# KiCad board HPPSI02.kicad_pcb (continued)
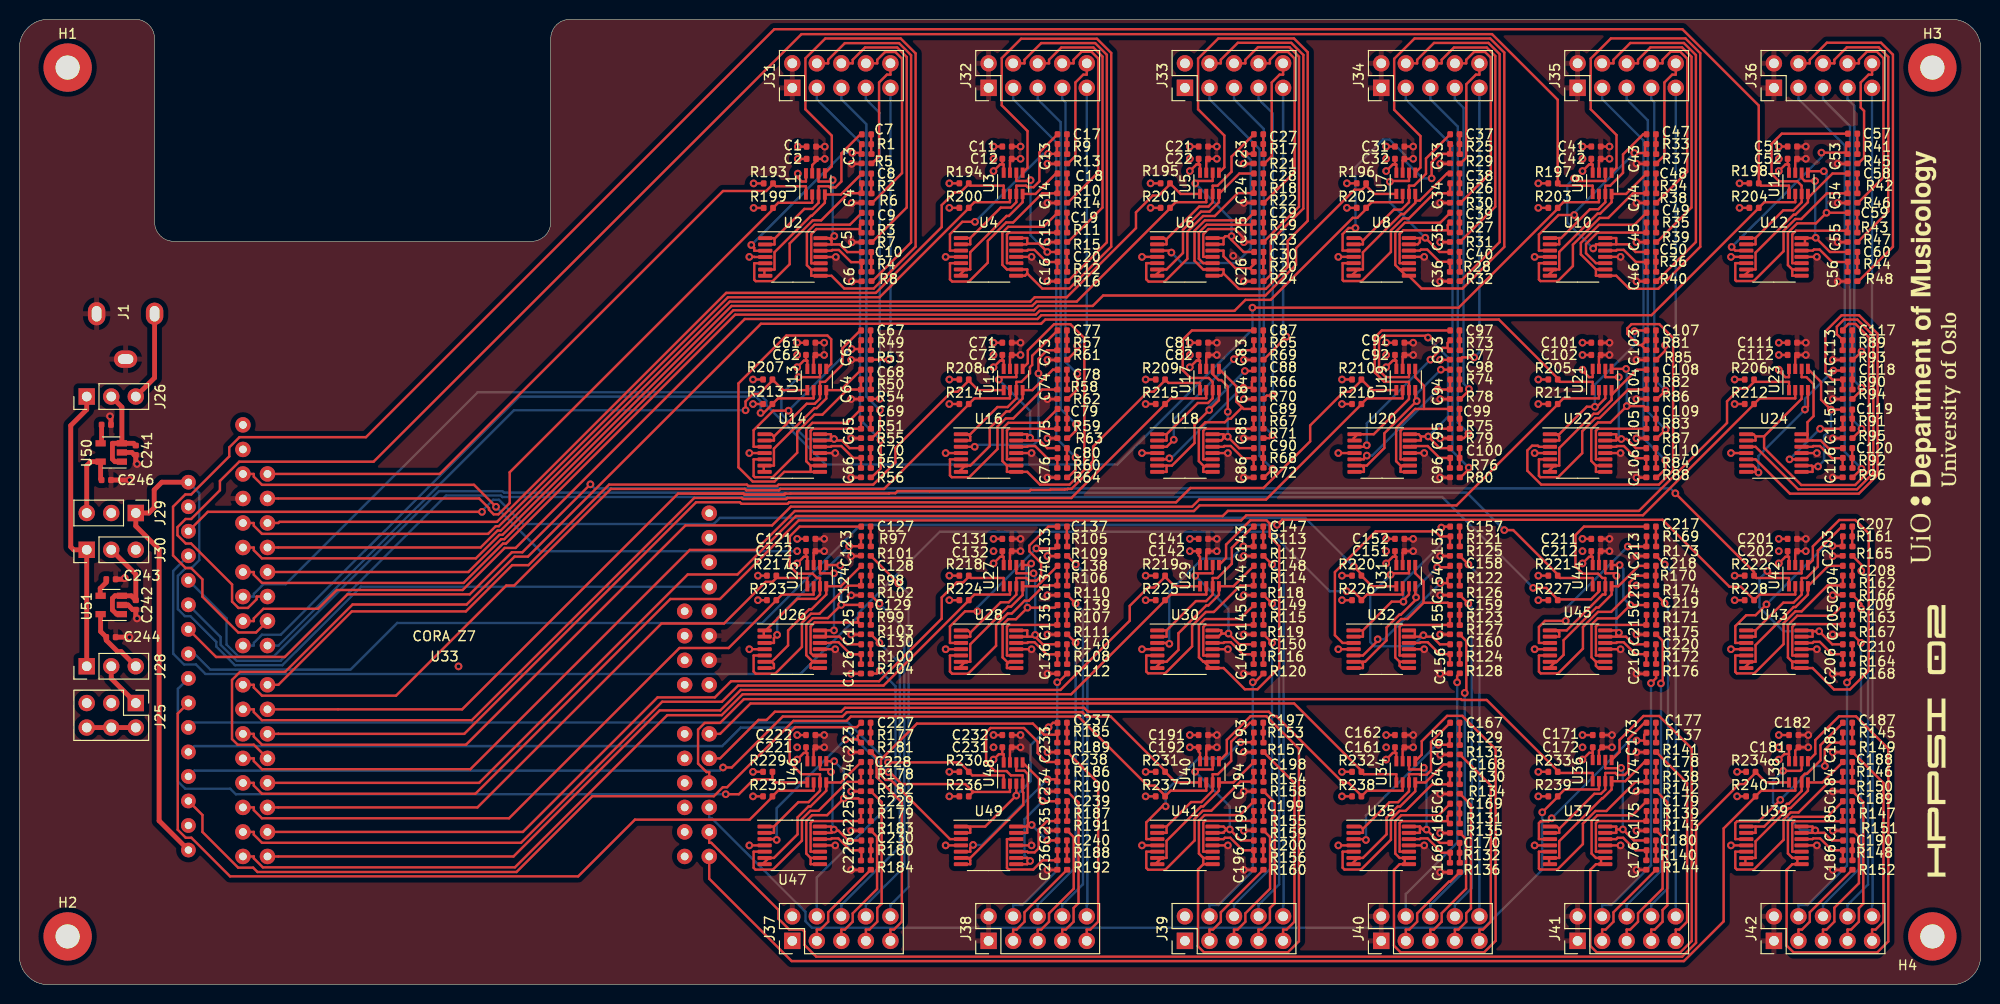
[diagram p0: board, top side]
## Routing (per net, layer and track width the routed paths; a pad name or vN(x,y) marks a point on that pad's centre or on a via; arc(x,y) is an arc through that point) (continued)
Net-(C149-Pad2): length 2.1
  Top w0.25: R119.2 128.75,37.29 R115.1 C149.2
Net-(C150-Pad1): length 16.1
  Top w0.25: 124.41,36.37 v1(125.15,36.37) 126.26,35.26 127.78,35.26 ; 124.41,36.37 124.41,36.7 123.59,36.7 ; 124.41,36.37 124.41,36.34 124.12,36.05 123.59,36.05 ; v1(121.71,42.36) 121.96,42.61 123.51,42.61 U29.6
  Bottom w0.25: v1(121.71,42.36) 125.15,38.93 v1(125.15,36.37)
Net-(C150-Pad2): length 2.1
  Top w0.25: R120.2 128.75,33.23 R116.1 C150.2
Net-(C153-Pad1): length 23.7
  Top w0.25: 148.07,46.43 C153.1 ; 148.07,46.43 R121.2 ; 148.07,46.43 147.06,46.43 146.54,46.95 140.38,46.95 136.16,42.74 136.16,36.2 136.96,35.4 138.01,35.4
Net-(C154-Pad1): length 14.3
  Top w0.25: 147.8,41.6 C154.1 ; 147.8,41.6 147.8,42.08 R122.2 ; 147.8,41.6 v1(147.08,41.6) ; v1(140.59,35.78) 140.59,35.63 139.06,34.1 138.01,34.1
  Bottom w0.25: v1(147.08,41.6) 141.27,35.78 v1(140.59,35.78)
Net-(C155-Pad1): length 10.4
  Top w0.25: R123.2 148.07,38.28 C155.1 143.04,37.27 142.86,37.08 142.86,34.1 143.91,34.1
Net-(C156-Pad1): length 5.7
  Top w0.25: 143.91,35.4 144.96,35.4 145.04,35.48 145.77,35.48 147,34.24 148.07,34.24 ; 148.07,34.24 R124.2 ; 148.07,34.24 C156.1
Net-(C157-Pad1): length 20.3
  Top w0.25: 138.01,36.7 139.06,36.7 ; 139.06,36.7 142.03,39.67 v1(143.25,39.67) 143.25,39.84 143.83,40.41 U31.3 ; 139.06,36.7 139.06,36.05 138.01,36.05 ; v1(147.18,47.35) 147.28,47.45 C157.1
  Bottom w0.25: v1(147.18,47.35) 147.18,45.64 143.25,41.71 v1(143.25,39.67)
Net-(C157-Pad2): length 2.1
  Top w0.25: R125.2 R121.1 149.09,47.43 149.06,47.45
Net-(C158-Pad1): length 18.6
  Top w0.25: 138.01,33.45 138.83,33.45 ; 138.83,33.45 139.29,33.45 141.51,35.67 141.51,37.01 142.83,38.33 142.99,38.33 144.57,39.91 v1(144.57,40.12) 144.57,40.33 144.48,40.41 U31.4 ; 138.83,33.45 139.06,33.22 139.06,32.8 138.01,32.8 ; v1(146.74,43.24) 147.94,43.24 C158.1
  Bottom w0.25: v1(146.74,43.24) 144.57,41.06 v1(144.57,40.12)
Net-(C158-Pad2): length 2.1
  Top w0.25: R126.2 149.06,41.35 149.06,43.39
Net-(C159-Pad1): length 17.6
  Top w0.25: 145.34,39.56 145.34,41.76 144.48,42.61 U31.5 ; 145.34,39.56 143.66,37.88 143.02,37.88 142.41,37.27 142.41,33.9 142.86,33.45 ; 145.34,39.56 147.85,39.56 C159.1 ; 142.86,33.45 142.86,33.03 143.09,32.8 143.91,32.8 ; 142.86,33.45 143.91,33.45
Net-(C159-Pad2): length 2.1
  Top w0.25: 149.06,39.32 149.06,37.27 R127.2
Net-(C160-Pad1): length 22.7
  Top w0.25: 145.32,36.05 144.44,36.05 ; 145.32,36.05 v1(145.32,36.2) ; 145.32,36.05 146.23,36.05 147.02,35.26 C160.1 ; 144.44,36.05 143.91,36.05 ; 144.44,36.05 144.44,36.7 143.91,36.7 ; v1(141.93,42.47) 142.08,42.61 143.83,42.61 U31.6
  Bottom w0.25: v1(141.93,42.47) 139.82,40.36 139.82,35.49 140.25,35.06 144.18,35.06 v1(145.32,36.2)
Net-(C160-Pad2): length 2
  Top w0.25: R128.2 149.06,33.25 149.06,35.26
Net-(C163-Pad1): length 16.7
  Top w0.25: C163.1 148.04,24.86 ; 148.04,24.86 148.04,25.8 R129.2 ; 148.04,24.86 v1(146.87,24.86) ; 138.01,15.08 139.06,15.08 139.15,14.99 v1(139.37,14.99)
  Bottom w0.25: v1(146.87,24.86) 146.7,24.86 139.37,17.53 v1(139.37,14.99)
Net-(C164-Pad1): length 19.8
  Top w0.25: 138.01,13.78 136.96,13.78 136.96,12.12 137.15,11.93 138.87,11.93 141.96,15.01 141.96,17.12 142.85,18 143.48,18 146.23,20.76 C164.1 148.07,21.77 R130.2
Net-(C165-Pad1): length 10.3
  Top w0.25: 147.82,16.94 147.82,17.46 R131.2 ; 147.82,16.94 C165.1 ; 147.82,16.94 143.06,16.94 142.86,16.74 142.86,13.78 143.91,13.78
Net-(C166-Pad1): length 5.9
  Top w0.25: 143.91,15.08 144.96,15.08 145.04,15.16 145.75,15.16 147.24,13.67 R132.2 148.07,13.64 C166.1
Net-(C167-Pad1): length 19
  Top w0.25: 138.01,16.38 138.83,16.38 139.06,16.15 ; C167.1 146.11,25.15 146.11,22.19 145.67,21.75 144.97,21.75 144.91,21.81 143.83,21.81 U34.3 143.83,20.03 142.7,18.91 141.82,18.91 139.06,16.15 ; 139.06,16.15 139.06,15.73 138.01,15.73
Net-(C167-Pad2): length 2.3
  Top w0.25: R133.2 149.06,24.84 149.06,27.13
Net-(C168-Pad1): length 16.5
  Top w0.25: 138.54,13.13 138.01,12.6 138.01,12.48 ; 138.54,13.13 139.06,13.13 141.51,15.58 141.51,17.3 142.66,18.46 142.9,18.46 144.48,20.03 U34.4 145.54,20.95 147.4,22.81 C168.1 ; 138.54,13.13 138.01,13.13
Net-(C168-Pad2): length 2.1
  Top w0.25: 149.06,22.81 149.06,20.78 R134.2
Net-(C169-Pad1): length 65.5
  Top w0.25: 143.91,13.13 143.38,13.13 ; 143.38,13.13 142.86,13.13 142.41,13.58 142.41,16.93 143.03,17.55 146.9,17.55 C169.1 ; 143.38,13.13 143.38,12.48 ; U34.5 145.15,23.82 145.15,25.22 147.77,27.85 149.34,27.85 152.79,24.39 152.79,4.54 151.61,3.35 142.96,3.35 142.28,4.04 142.28,11.9 142.86,12.48 143.38,12.48 ; 143.38,12.48 143.91,12.48
Net-(C169-Pad2): length 2.1
  Top w0.25: 149.06,18.75 149.06,16.72 R135.2
Net-(C170-Pad1): length 15.6
  Top w0.25: U34.6 143.83,22.29 145.18,22.29 v1(145.36,22.48) ; 144.96,16.38 145.27,16.07 v1(145.65,16.07) 147.03,14.68 C170.1 ; 144.96,16.38 144.96,15.73 143.91,15.73 ; 144.96,16.38 143.91,16.38
  Bottom w0.25: v1(145.36,22.48) 145.65,22.19 v1(145.65,16.07)
Net-(C170-Pad2): length 2.1
  Top w0.25: 149.06,14.68 149.06,12.65 R136.2
Net-(C173-Pad1): length 18.4
  Top w0.25: v1(158.6,17.24) 158.29,16.93 157.47,16.93 157.28,16.74 157.28,15.08 158.33,15.08 ; 168.18,25.29 C173.1 ; 168.18,25.29 168.18,25.88 R137.2 ; 168.18,25.29 v1(167.39,25.29)
  Bottom w0.25: v1(167.39,25.29) 166.64,25.29 v1(158.6,17.24)
Net-(C174-Pad1): length 20
  Top w0.25: 158.33,13.78 157.28,13.78 157.28,12.03 157.38,11.93 159.19,11.93 161.83,14.57 161.83,16.69 163.14,17.99 164.26,17.99 167.28,21.01 C174.1 R138.2
Net-(C175-Pad1): length 10.4
  Top w0.25: 164.23,13.78 163.18,13.78 163.18,16.76 163.37,16.95 C175.1 168.39,17.96 R139.2
Net-(C176-Pad1): length 5.8
  Top w0.25: 164.23,15.08 165.28,15.08 165.42,15.22 165.99,15.22 167.29,13.92 R140.2 168.41,12.91 C176.1
Net-(C177-Pad1): length 19.3
  Top w0.25: 158.33,16.38 159.14,16.38 159.38,16.14 ; 159.38,16.14 163.01,19.77 163.7,19.77 164.15,20.22 164.15,21.93 165.19,21.93 165.4,21.72 166.15,21.72 166.53,22.1 166.53,25.45 168.2,27.13 C177.1 ; 159.38,16.14 159.38,15.73 158.33,15.73
Net-(C177-Pad2): length 2.1
  Top w0.25: 169.38,27.13 169.38,25.1 R141.2
Net-(C178-Pad1): length 16.4
  Top w0.25: 158.33,12.48 158.33,13.13 159.38,13.13 159.38,14.88 163.82,19.32 163.9,19.32 164.8,20.22 164.8,21.08 166.22,21.08 168.21,23.07 C178.1
Net-(C178-Pad2): length 2.1
  Top w0.25: R142.2 169.36,21.08 R138.1 169.41,22.1 C178.2
Net-(C179-Pad1): length 65.5
  Top w0.25: U36.5 165.62,24.1 165.62,25.35 168.1,27.83 169.72,27.83 173.09,24.46 173.09,4.53 171.92,3.35 163.26,3.35 162.6,4.01 162.6,11.9 163.18,12.48 163.7,12.48 ; C179.1 166.96,17.54 163.32,17.54 162.73,16.95 162.73,13.58 163.18,13.13 163.7,13.13 ; 163.7,12.48 164.23,12.48 ; 163.7,12.48 163.7,13.13 ; 163.7,13.13 164.23,13.13
Net-(C179-Pad2): length 2.1
  Top w0.25: 169.38,19 169.38,16.97 R143.2
Net-(C180-Pad1): length 15.3
  Top w0.25: 165.28,16.08 165.28,15.73 164.23,15.73 ; 165.28,16.08 165.28,16.38 164.23,16.38 ; 165.28,16.08 v1(165.97,16.08) 167.11,14.94 C180.1 ; U36.6 164.15,22.42 165.75,22.42 v1(165.79,22.46)
  Bottom w0.25: v1(165.97,16.08) 165.97,22.28 v1(165.79,22.46)
Net-(C180-Pad2): length 2.1
  Top w0.25: 169.38,14.94 169.38,12.91 R144.2
Net-(C183-Pad1): length 19.3
  Top w0.25: 188.74,26.11 188.74,25.1 C183.1 187.6,25.08 186.87,24.34 v1(186.87,22.65) ; 178.65,15.08 177.6,15.08 177.6,16.74 177.79,16.93 180.05,16.93 v1(182.26,19.14)
  Bottom w0.25: v1(182.26,19.14) 185.77,22.65 v1(186.87,22.65)
Net-(C184-Pad1): length 20
  Top w0.25: 178.65,13.78 177.6,13.78 177.6,12.09 177.77,11.93 179.52,11.93 182.6,15 182.6,17.11 183.33,17.84 184.15,17.84 187.32,21.01 C184.1 188.71,22.03 188.74,22.05
Net-(C185-Pad1): length 10.4
  Top w0.25: 188.74,17.99 188.71,17.96 C185.1 188.7,16.93 183.69,16.93 183.5,16.74 183.5,13.78 184.55,13.78
Net-(C186-Pad1): length 5.8
  Top w0.25: 184.55,15.08 185.6,15.08 185.68,15.16 186.38,15.16 187.61,13.92 188.74,13.92 188.74,12.91 C186.1
Net-(C187-Pad1): length 18
  Top w0.25: 178.65,15.73 179.7,15.73 179.7,16.38 ; 179.7,16.38 180.59,16.38 182.95,18.74 183.13,18.74 184.47,20.08 U38.3 184.47,21.51 184.81,21.85 185.02,21.85 186.42,23.24 186.42,24.82 188.74,27.13 ; 179.7,16.38 178.65,16.38
Net-(C187-Pad2): length 2.1
  Top w0.25: C187.2 R145.1 189.71,25.1 R149.2
Net-(C188-Pad1): length 16.4
  Top w0.25: 178.65,12.48 178.65,13.13 179.7,13.13 179.7,14.85 183.14,18.29 183.32,18.29 185.12,20.09 U38.4 186.62,20.95 188.74,23.07
Net-(C188-Pad2): length 2.1
  Top w0.25: R150.2 189.71,21.03 R146.1 C188.2
Net-(C189-Pad1): length 65.7
  Top w0.25: 184.55,12.48 184.02,12.48 ; 184.02,12.48 183.5,12.48 182.92,11.9 182.92,4.06 183.64,3.34 192.29,3.34 193.44,4.48 193.44,24.45 190.09,27.8 188.34,27.8 185.88,25.34 185.88,23.91 U38.5 ; 184.02,12.48 184.02,13.13 ; 184.55,13.13 184.02,13.13 ; 184.02,13.13 183.5,13.13 183.5,13.14 183.05,13.59 183.05,16.93 183.51,17.39 187.12,17.39 188.74,19
Net-(C189-Pad2): length 2.1
  Top w0.25: R151.2 189.71,16.97 R147.1 C189.2
Net-(C190-Pad1): length 18.6
  Top w0.25: 185.6,15.73 186.81,15.73 187.6,14.94 C190.1 ; 185.6,15.73 185.6,15.98 ; 185.6,15.73 184.55,15.73 ; U38.6 184.47,22.29 184.33,22.15 v1(182.55,22.15) ; 185.6,15.98 v1(185.88,15.98) ; 185.6,15.98 185.6,16.38 184.55,16.38
  Bottom w0.25: v1(182.55,22.15) 181.5,21.11 181.5,18.87 184.39,15.98 v1(185.88,15.98)
Net-(C190-Pad2): length 2.1
  Top w0.25: R152.2 189.71,12.91 R148.1 189.73,13.94 C190.2
Net-(C193-Pad1): length 19.3
  Top w0.25: 127.71,25.11 C193.1 ; 127.71,25.11 v1(126.4,25.11) ; 127.71,25.11 127.71,26.05 127.78,26.11 ; 117.69,15.08 116.64,15.08 116.64,16.81 118.3,18.48 v1(118.64,18.48)
  Bottom w0.25: v1(126.4,25.11) 124.7,23.42 122.01,23.42 118.64,20.05 v1(118.64,18.48)
Net-(C194-Pad1): length 20
  Top w0.25: 127.78,22.05 127.75,22.03 C194.1 126.38,21.03 123.36,18.02 122.49,18.02 121.64,17.17 121.64,14.94 118.61,11.91 116.82,11.91 116.64,12.09 116.64,13.78 117.69,13.78
Net-(C195-Pad1): length 10.4
  Top w0.25: 123.59,13.78 122.54,13.78 122.54,16.79 122.72,16.97 C195.1 127.75,17.96 127.78,17.99
Net-(C196-Pad1): length 5.8
  Top w0.25: C196.1 127.78,12.91 127.78,13.92 126.63,13.92 125.34,15.22 124.78,15.22 124.64,15.08 123.59,15.08
Net-(C197-Pad1): length 18.4
  Top w0.25: 118.74,16.38 121.28,18.92 122.33,18.92 123.51,20.09 U40.3 123.51,21.81 124.05,21.81 125.43,23.18 125.43,25.17 127.39,27.13 127.78,27.13 ; 118.74,16.38 118.74,15.73 117.69,15.73 ; 118.74,16.38 117.69,16.38
Net-(C197-Pad2): length 2.1
  Top w0.25: R157.2 128.75,25.1 R153.1 C197.2
Net-(C198-Pad1): length 16.6
  Top w0.25: 117.69,13.13 118.22,13.13 ; 118.22,13.13 117.69,12.6 117.69,12.48 ; 118.22,13.13 118.74,13.13 118.74,14.91 122.3,18.47 122.53,18.47 124.16,20.09 U40.4 125.66,20.95 127.78,23.07
Net-(C198-Pad2): length 2.1
  Top w0.25: C198.2 R154.1 128.75,21.03 R158.2
Net-(C199-Pad1): length 65.6
  Top w0.25: 122.54,12.48 122,11.94 122,3.97 122.61,3.36 131.3,3.36 132.44,4.5 132.44,24.44 129.07,27.81 127.43,27.81 124.98,25.36 124.98,23.97 U40.5 ; 122.54,12.48 122.54,13.13 ; 122.54,12.48 123.59,12.48 ; 122.54,13.13 122.09,13.58 122.09,16.98 122.68,17.57 126.34,17.57 127.78,19 ; 122.54,13.13 123.59,13.13
Net-(C199-Pad2): length 2.1
  Top w0.25: R159.2 128.75,16.97 R155.1 C199.2
Net-(C200-Pad1): length 16.5
  Top w0.25: 123.59,16.38 124.64,16.38 124.94,16.08 ; 124.94,16.08 v1(125.29,16.08) 126.43,14.94 127.78,14.94 ; 124.94,16.08 124.64,15.78 124.64,15.73 123.59,15.73 ; U40.6 123.51,22.29 121.93,22.29 v1(121.7,22.06)
  Bottom w0.25: v1(125.29,16.08) 125.29,18.47 v1(121.7,22.06)
Net-(C200-Pad2): length 2.1
  Top w0.25: C200.2 R156.1 128.75,12.91 R160.2
Net-(C203-Pad1): length 18.4
  Top w0.25: v1(180.83,39.4) 179.7,38.27 178.73,38.27 177.6,37.14 177.6,35.4 178.65,35.4 ; 188.74,46.43 188.66,46.36 188.66,45.45 ; 188.66,45.45 C203.1 ; 188.66,45.45 v1(187.66,45.45)
  Bottom w0.25: v1(180.83,39.4) 186.88,45.45 v1(187.66,45.45)
Net-(C204-Pad1): length 20
  Top w0.25: 188.74,42.37 188.74,41.38 C204.1 187.15,41.35 184.46,38.67 183.83,38.67 182.6,37.44 182.6,35.28 179.57,32.25 177.76,32.25 177.6,32.4 177.6,34.1 178.65,34.1
Net-(C205-Pad1): length 10.4
  Top w0.25: 184.55,34.1 183.5,34.1 183.5,37.07 183.78,37.35 188.71,37.35 ; 188.74,38.31 188.71,38.28 188.71,37.35 ; 188.71,37.35 C205.1
Net-(C206-Pad1): length 5.8
  Top w0.25: 184.55,35.4 185.6,35.4 185.71,35.51 186.35,35.51 187.62,34.24 188.74,34.24 188.74,33.2 C206.1
Net-(C207-Pad1): length 18.2
  Top w0.25: 179.7,36.7 182.57,39.57 183.63,39.57 184.47,40.41 U42.3 184.47,42.13 184.97,42.13 186.15,43.3 186.15,44.96 188.63,47.45 188.74,47.45 ; 179.7,36.7 178.65,36.7 ; 179.7,36.7 179.7,36.05 178.65,36.05
Net-(C207-Pad2): length 2.1
  Top w0.25: R165.2 189.71,45.42 R161.1 C207.2
Net-(C208-Pad1): length 16.6
  Top w0.25: 178.65,33.45 179.18,33.45 ; 179.18,33.45 178.65,32.92 178.65,32.8 ; 179.18,33.45 179.7,33.45 179.7,35.18 183.64,39.12 183.84,39.12 185.12,40.4 U42.4 187.24,43.39 188.74,43.39
Net-(C208-Pad2): length 2.1
  Top w0.25: C208.2 R162.1 189.71,41.35 R166.2
Net-(C209-Pad1): length 45.7
  Top w0.25: 188.74,39.32 187.63,38.22 184.01,38.22 183.05,37.26 183.05,33.9 183.5,33.45 ; 184.55,33.45 183.5,33.45 ; 183.5,33.45 183.5,32.8 185.6,32.8 187.82,30.58 189.47,30.58 191.41,32.53 191.41,46.75 190.02,48.14 188.36,48.14 185.63,45.4 185.63,43.98 U42.5
Net-(C209-Pad2): length 2.1
  Top w0.25: R167.2 189.71,37.29 R163.1 C209.2
Net-(C210-Pad1): length 22.3
  Top w0.25: 188.74,35.26 187.64,35.26 v1(186.29,36.61) 185.6,36.61 ; U42.6 184.47,42.61 181.15,42.61 v1(180.92,42.85) ; 185.6,36.61 185.6,36.05 184.55,36.05 ; 185.6,36.61 185.6,36.7 184.55,36.7
  Bottom w0.25: v1(186.29,36.61) 182.59,36.61 180.1,39.09 180.1,42.04 v1(180.92,42.85)
Net-(C210-Pad2): length 2.1
  Top w0.25: C210.2 R164.1 189.71,33.23 R168.2
Net-(C213-Pad1): length 19.1
  Top w0.25: v1(160.06,37.68) 157.9,37.68 157.28,37.06 157.28,35.4 158.33,35.4 ; v1(166.48,45.39) 168.38,45.39 C213.1 168.39,46.41 R169.2
  Bottom w0.25: v1(160.06,37.68) 160.06,38.97 v1(166.48,45.39)
Net-(C214-Pad1): length 21.9
  Top w0.25: 166.65,40.51 164.76,38.62 163.4,38.62 161.83,37.05 161.83,34.81 159.27,32.24 157.47,32.24 157.28,32.43 157.28,34.1 158.33,34.1 ; 166.65,40.51 166.8,40.36 C214.1 ; 166.65,40.51 166.65,41.67 167.35,42.37 R170.2
Net-(C215-Pad1): length 10.4
  Top w0.25: R171.2 168.39,38.28 C215.1 163.32,37.27 163.18,37.12 163.18,34.1 164.23,34.1
Net-(C216-Pad1): length 5.7
  Top w0.25: C216.1 R172.2 167.28,34.24 166.04,35.48 165.36,35.48 165.28,35.4 164.23,35.4
Net-(C217-Pad1): length 25.4
  Top w0.25: 159.15,36.7 158.33,36.7 ; 159.15,36.7 160.15,36.7 163.87,40.41 164.15,40.41 U44.3 164.15,42.13 163.85,42.13 163.4,42.58 161.82,42.58 161.06,43.34 161.06,46.57 161.94,47.45 C217.1 ; 159.15,36.7 159.38,36.47 159.38,36.05 158.33,36.05
Net-(C217-Pad2): length 2.1
  Top w0.25: 169.38,47.45 169.38,45.42 R173.2
Net-(C218-Pad1): length 16.5
  Top w0.25: 158.33,32.8 158.86,33.33 158.86,33.45 ; C218.1 167.61,43.39 165.5,41.27 U44.4 164.8,40.41 163.45,39.07 163.22,39.07 159.83,35.68 159.83,34.16 159.12,33.45 158.86,33.45 ; 158.86,33.45 158.33,33.45
Net-(C218-Pad2): length 2.1
  Top w0.25: 169.38,43.39 169.38,42.39 R170.1 169.36,41.4 R174.2
Net-(C219-Pad1): length 18.6
  Top w0.25: U44.5 v1(165.63,43.47) ; 163.18,33.45 162.72,33.91 162.72,37.3 163.36,37.94 165.36,37.94 v1(166.74,39.32) C219.1 ; 163.18,33.45 163.18,33.03 163.41,32.8 164.23,32.8 ; 163.18,33.45 164.23,33.45
  Bottom w0.25: v1(165.63,43.47) 166.02,43.08 166.02,40.04 v1(166.74,39.32)
Net-(C219-Pad2): length 2.1
  Top w0.25: R175.2 169.38,37.29 169.38,39.32
Net-(C220-Pad1): length 14.6
  Top w0.25: v1(165.3,42.36) 165.04,42.61 164.15,42.61 U44.6 ; C220.1 167.08,35.26 166.29,36.05 165.28,36.05 ; 164.23,36.05 165.28,36.05 ; 165.28,36.05 165.28,36.18 v1(165.56,36.46) 165.52,36.46 165.28,36.7 164.23,36.7
  Bottom w0.25: v1(165.56,36.46) 165.3,36.72 v1(165.3,42.36)
Net-(C220-Pad2): length 2.1
  Top w0.25: 169.38,35.26 169.38,34.27 R172.1 169.36,33.27 R176.2
Net-(C223-Pad1): length 17.3
  Top w0.25: 86.78,25.41 86.78,25.76 R177.2 ; 86.78,25.41 C223.1 ; 86.78,25.41 v1(85.51,25.41) ; 77.05,15.08 78.3,15.08 v1(78.38,15)
  Bottom w0.25: v1(85.51,25.41) 78.38,18.28 v1(78.38,15)
Net-(C224-Pad1): length 20
  Top w0.25: R178.2 87.11,22.03 C224.1 85.72,21.01 82.72,18.01 81.87,18.01 81,17.14 81,14.92 77.99,11.91 76.19,11.91 76,12.11 76,13.78 77.05,13.78
Net-(C225-Pad1): length 10.4
  Top w0.25: R179.2 87.11,17.96 C225.1 82.08,16.95 81.9,16.77 81.9,13.78 82.95,13.78
Net-(C226-Pad1): length 5.8
  Top w0.25: 82.95,15.08 84,15.08 84.08,15.16 84.76,15.16 86,13.92 R180.2 87.16,12.91 C226.1
Net-(C227-Pad1): length 25.3
  Top w0.25: 77.05,15.73 78.1,15.73 78.1,16.38 ; 78.1,16.38 80.63,18.91 81.69,18.91 82.87,20.09 U46.3 82.87,21.81 80.95,21.81 79.73,23.02 79.73,26.12 80.29,26.68 86.68,26.68 C227.1 ; 78.1,16.38 77.05,16.38
Net-(C227-Pad2): length 2.1
  Top w0.25: R181.2 88.1,25.1 88.1,27.13
Net-(C228-Pad1): length 16.6
  Top w0.25: 77.58,13.13 78.1,13.13 80.55,15.58 80.55,17.33 81.68,18.46 81.89,18.46 83.52,20.09 U46.4 85.02,20.95 C228.1 ; 77.58,13.13 77.05,13.13 ; 77.58,13.13 77.05,12.6 77.05,12.48
Net-(C228-Pad2): length 2.1
  Top w0.25: R182.2 88.1,21.03 88.1,23.07
Net-(C229-Pad1): length 18.6
  Top w0.25: C229.1 86.84,19.29 v1(85.33,19.29) 83.6,17.56 82.05,17.56 81.45,16.96 81.45,13.58 81.9,13.13 ; U46.5 v1(84.34,23.15) ; 81.9,13.13 82.95,13.13 ; 81.9,13.13 81.9,12.48 82.95,12.48
  Bottom w0.25: v1(85.33,19.29) 85.33,22.15 v1(84.34,23.15)
Net-(C229-Pad2): length 2.1
  Top w0.25: 88.1,19 88.1,16.97 R183.2
Net-(C230-Pad1): length 14.5
  Top w0.25: 84.31,15.96 v1(84.31,16.07) 84,16.38 82.95,16.38 ; 84.31,15.96 84.09,15.73 82.95,15.73 ; 84.31,15.96 84.78,15.96 85.8,14.94 C230.1 ; U46.6 82.87,22.29 83.76,22.29 v1(84.01,22.04)
  Bottom w0.25: v1(84.31,16.07) 84.16,16.22 84.16,21.89 v1(84.01,22.04)
Net-(C230-Pad2): length 2.1
  Top w0.25: C230.2 R180.1 R184.2
Net-(C233-Pad1): length 33.9
  Top w0.25: 107.43,25.9 106.05,25.9 104.9,27.05 92.9,27.05 89.18,23.33 89.18,21.68 89.64,21.21 90.19,21.21 96.32,15.08 97.37,15.08 ; 107.43,25.9 C233.1 ; 107.43,25.9 107.43,26.09 107.46,26.11
Net-(C234-Pad1): length 14.4
  Top w0.25: 107.39,21.27 107.39,21.08 C234.1 ; 107.39,21.27 107.39,21.98 107.46,22.05 ; 107.39,21.27 v1(106.43,21.27) ; 97.37,13.78 98.42,13.78 98.42,14.18 v1(98.71,14.48)
  Bottom w0.25: v1(106.43,21.27) 99.63,14.48 v1(98.71,14.48)
Net-(C235-Pad1): length 7.7
  Top w0.25: 103.27,13.78 104.32,13.78 104.4,13.7 105.08,13.7 105.5,14.13 105.5,16.08 106.37,16.95 C235.1 107.43,17.96 107.46,17.99
Net-(C236-Pad1): length 10.8
  Top w0.25: 107.46,13.92 107.46,12.91 C236.1 105.9,12.88 104.94,11.93 102.38,11.93 102.22,12.09 102.22,15.08 103.27,15.08
Net-(C237-Pad1): length 19.8
  Top w0.25: U48.3 103.19,19.6 v1(103.19,19.59) 99.97,16.38 98.19,16.38 ; 98.19,16.38 98.42,16.15 98.42,15.73 97.37,15.73 ; 98.19,16.38 97.37,16.38 ; v1(106.52,26.66) 106.99,27.13 107.46,27.13
  Bottom w0.25: v1(106.52,26.66) 104.66,24.81 104.66,21.07 v1(103.19,19.59)
Net-(C237-Pad2): length 2.1
  Top w0.25: R189.2 108.43,25.1 R185.1 C237.2
Net-(C238-Pad1): length 30.9
  Top w0.25: 97.37,12.48 98.42,12.48 98.42,12.9 98.19,13.13 ; 98.19,13.13 97.37,13.13 ; 98.19,13.13 98.42,13.13 103.91,18.62 103.91,19.9 103.84,19.97 U48.4 103.84,21.68 102.63,21.68 102.18,22.13 100.98,22.13 100.06,23.04 100.06,26.13 100.52,26.59 103.98,26.59 105.4,25.18 105.4,24 106.33,23.07 107.46,23.07
Net-(C238-Pad2): length 2.1
  Top w0.25: C238.2 R186.1 108.43,21.03 R190.2
Net-(C239-Pad1): length 16.6
  Top w0.25: C239.1 v1(105.91,19) 105.54,19.37 105.54,21.33 U48.5 ; 103.27,13.13 104.32,13.13 104.32,13.11 v1(104.62,12.82) 104.32,12.52 104.32,12.48 103.27,12.48
  Bottom w0.25: v1(105.91,19) 104.04,17.14 104.04,13.39 v1(104.62,12.82)
Net-(C239-Pad2): length 2.1
  Top w0.25: R191.2 108.43,16.97 R187.1 108.45,18.01 C239.2
Net-(C240-Pad1): length 14.2
  Top w0.25: 104.32,16.38 104.32,16.48 104.39,16.55 ; 104.32,16.38 104.32,15.73 103.27,15.73 ; 104.32,16.38 103.27,16.38 ; 104.39,16.55 104.39,21.82 104.04,22.17 103.19,22.17 U48.6 ; 104.39,16.55 v1(104.78,16.55) ; 107.46,14.94 v1(106.39,14.94)
  Bottom w0.25: v1(106.39,14.94) v1(104.78,16.55)
Net-(C240-Pad2): length 2.1
  Top w0.25: R192.2 108.43,12.91 R188.1 C240.2
Net-(C241-Pad1): length 10.5
  Top w0.5: C241.1 11.82,56.08 U50.3 ; U50.3 10.62,59.83 J26.2 ; U50.3 9.64,56.08 9.63,56.07 9.63,54.44 9.9,54.18 U50.1
Net-(C242-Pad1): length 11.4
  Top w0.5: J30.2 12.05,42.51 C242.1 11.59,40.28 U51.3 9.9,40.28 9.63,40.02 9.63,38.82 10.07,38.39 U51.1
Net-(C243-Pad1): length 2
  Top w0.5: U51.4 8.37,40.33 8.37,41.05 9,41.68 C243.1
Net-(C245-Pad1): length 2
  Top w0.5: U50.4 8.52,56.18 C245.1
Net-(U33-Pad16): length 60.8
  Top w0.25: v1(49.34,49.5) 47.06,51.78 25.11,51.78 24.27,52.62 24.27,52.9 U33.16
  Bottom w0.25: v1(49.34,49.5) 53.93,44.91 v1(80.51,44.91)

## Copper pours and planes (outline as drawn; the poured copper is in the pictures)
+3V3 on In2.Cu: 203,0 0,0 0,100 203,100
GND on Top: 203,0 0,0 0,100 203,100
GND on Bottom: 203,0 0,0 0,100 203,100
GND on In1.Cu: 203,0 0,0 0,100 203,100
